# KiCad board panel_4_3.kicad_pcb (continued)
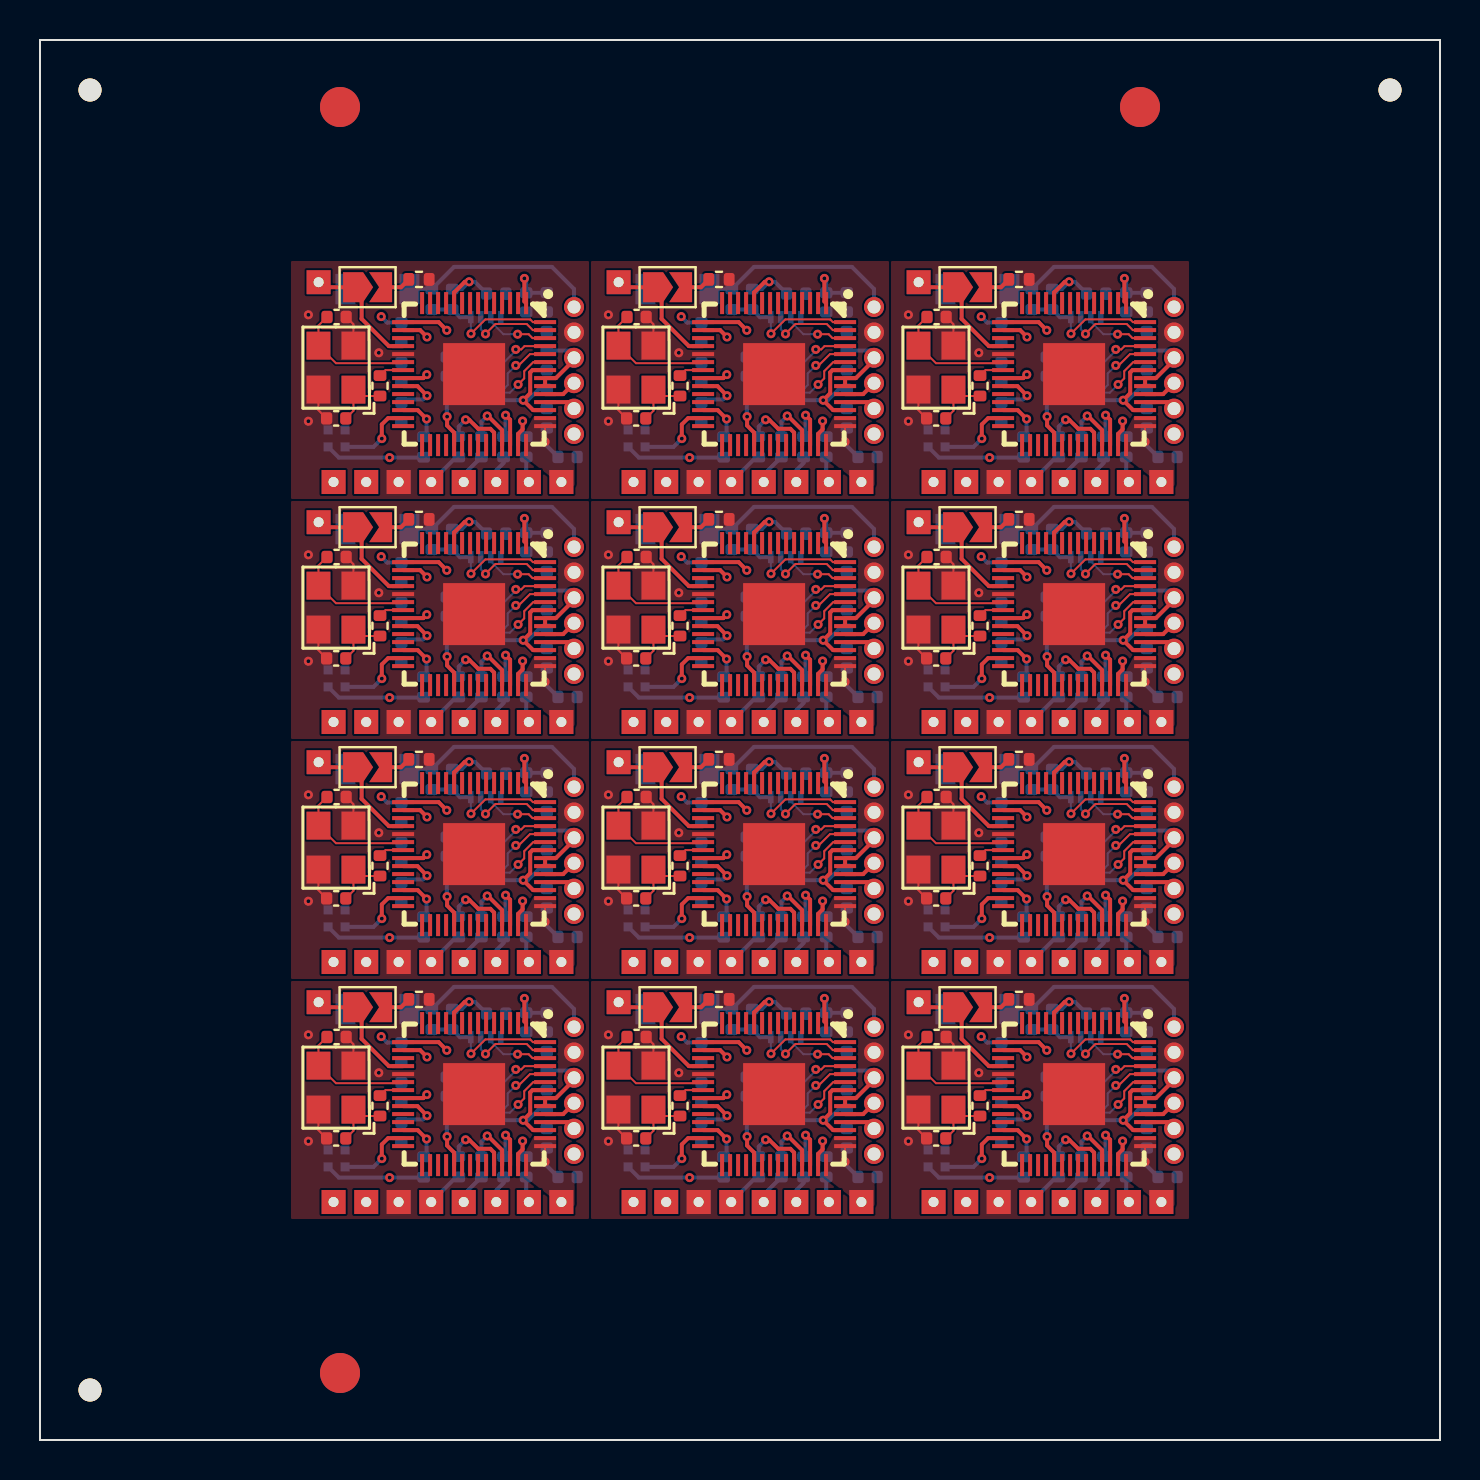
[diagram p0: board, top side]
## Nets (continued)
Board_6-DBG_DAT: U1#11.25
Board_6-GND: C1#2.1 C2#7.2 C3#11.2 C4#12.2 C5#12.2 C6#10.1 C7#11.2 C8#7.2 C9#3.2 C10#8.2 C11#5.2 C12#8.2 C13#7.2 C14.2 J8#4.5 J9#12.1 R12#9.2 SW1#4.2 U1#11.19 U1#11.57 U2#3.4 U2#3.9 U5#9.3 X1#8.2 X1#8.4
Board_6-LED_DATA: U1#11.27 U5#9.4
Board_6-Net-(JP1-B): JP1#5.2 R12#9.1
Board_6-Net-(U1-GPIO26_ADC0): R8#11.1 U1#11.38
Board_6-Net-(U1-GPIO27_ADC1): R9#12.1 U1#11.39
Board_6-Net-(U1-GPIO28_ADC2): R10#5.1 U1#11.40
Board_6-Net-(U1-GPIO29_ADC3): R11#3.1 U1#11.41
Board_6-Net-(X1-OSC1): C1#2.2 R1#9.1 X1#8.1
Board_6-NS_CLK: J3#9.1 R9#12.2
Board_6-NS_CMD: J4#10.1 R10#5.2
Board_6-NS_CPU: J1#6.1 JP1#5.1 U1#11.18
Board_6-NS_D0: J5#11.1 R11#3.2
Board_6-NS_RST: J2#11.1 R8#11.2
Board_6-NS_SCL: J7#8.1 U1#11.16
Board_6-NS_SDA: J6#8.1 U1#11.15
Board_6-QSPI_CS: R5#12.2 R6.2 U1#11.56 U2#3.1
Board_6-QSPI_SCK: U1#11.52 U2#3.6
Board_6-QSPI_SD0: U1#11.53 U2#3.5
Board_6-QSPI_SD1: U1#11.55 U2#3.2
Board_6-QSPI_SD2: U1#11.54 U2#3.3
Board_6-QSPI_SD3: U1#11.51 U2#3.7
Board_6-RST: J8#4.1 R2#9.2 U1#11.26
Board_6-unconnected-(U1-GPIO0-Pad2): U1#11.2
Board_6-unconnected-(U1-GPIO1-Pad3): U1#11.3
Board_6-unconnected-(U1-GPIO2-Pad4): U1#11.4
Board_6-unconnected-(U1-GPIO3-Pad5): U1#11.5
Board_6-unconnected-(U1-GPIO4-Pad6): U1#11.6
Board_6-unconnected-(U1-GPIO5-Pad7): U1#11.7
Board_6-unconnected-(U1-GPIO6-Pad8): U1#11.8
Board_6-unconnected-(U1-GPIO7-Pad9): U1#11.9
Board_6-unconnected-(U1-GPIO8-Pad11): U1#11.11
Board_6-unconnected-(U1-GPIO9-Pad12): U1#11.12
Board_6-unconnected-(U1-GPIO10-Pad13): U1#11.13
Board_6-unconnected-(U1-GPIO11-Pad14): U1#11.14
Board_6-unconnected-(U1-GPIO14-Pad17): U1#11.17
Board_6-unconnected-(U1-GPIO17-Pad28): U1#11.28
Board_6-unconnected-(U1-GPIO18-Pad29): U1#11.29
Board_6-unconnected-(U1-GPIO19-Pad30): U1#11.30
Board_6-unconnected-(U1-GPIO20-Pad31): U1#11.31
Board_6-unconnected-(U1-GPIO21-Pad32): U1#11.32
Board_6-unconnected-(U1-GPIO22-Pad34): U1#11.34
Board_6-unconnected-(U1-GPIO23-Pad35): U1#11.35
Board_6-unconnected-(U1-GPIO24-Pad36): U1#11.36
Board_6-unconnected-(U1-GPIO25-Pad37): U1#11.37
Board_6-unconnected-(U5-DOUT-Pad1): U5#9.1
Board_6-XIN: C3#11.1 U1#11.20 X1#8.3
Board_6-XOUT: R1#9.2 U1#11.21
Board_7-+1V1: C2.1 C4.1 C5#4.1 U1#10.23 U1#10.45 U1#10.50
Board_7-+3V3: C6#5.2 C7#9.1 C8#9.1 C9#6.1 C10.1 C11#8.1 C12#4.1 C13#9.1 C14#7.1 J8#3.4 J10#6.1 R2#12.1 R6#10.1 U1#10.1 U1#10.10 U1#10.22 U1#10.33 U1#10.42 U1#10.43 U1#10.44 U1#10.48 U1#10.49 U2#2.8 U5#12.2
Board_7-BOOT: J8#3.6 R5#8.1 SW1#11.1
Board_7-D+: J8#3.3 U1#10.47
Board_7-D-: J8#3.2 U1#10.46
Board_7-DBG_CLK: U1#10.24
Board_7-DBG_DAT: U1#10.25
Board_7-GND: C1#7.1 C2.2 C3#9.2 C4.2 C5#4.2 C6#5.1 C7#9.2 C8#9.2 C9#6.2 C10.2 C11#8.2 C12#4.2 C13#9.2 C14#7.2 J8#3.5 J9#10.1 R12#12.2 SW1#11.2 U1#10.19 U1#10.57 U2#2.4 U2#2.9 U5#12.3 X1#2.2 X1#2.4
Board_7-LED_DATA: U1#10.27 U5#12.4
Board_7-Net-(JP1-B): JP1#6.2 R12#12.1
Board_7-Net-(U1-GPIO26_ADC0): R8#12.1 U1#10.38
Board_7-Net-(U1-GPIO27_ADC1): R9#3.1 U1#10.39
Board_7-Net-(U1-GPIO28_ADC2): R10#12.1 U1#10.40
Board_7-Net-(U1-GPIO29_ADC3): R11#7.1 U1#10.41
Board_7-Net-(X1-OSC1): C1#7.2 R1#5.1 X1#2.1
Board_7-NS_CLK: J3#4.1 R9#3.2
Board_7-NS_CMD: J4#9.1 R10#12.2
Board_7-NS_CPU: J1#8.1 JP1#6.1 U1#10.18
Board_7-NS_D0: J5.1 R11#7.2
Board_7-NS_RST: J2#6.1 R8#12.2
Board_7-NS_SCL: J7.1 U1#10.16
Board_7-NS_SDA: J6#7.1 U1#10.15
Board_7-QSPI_CS: R5#8.2 R6#10.2 U1#10.56 U2#2.1
Board_7-QSPI_SCK: U1#10.52 U2#2.6
Board_7-QSPI_SD0: U1#10.53 U2#2.5
Board_7-QSPI_SD1: U1#10.55 U2#2.2
Board_7-QSPI_SD2: U1#10.54 U2#2.3
Board_7-QSPI_SD3: U1#10.51 U2#2.7
Board_7-RST: J8#3.1 R2#12.2 U1#10.26
Board_7-unconnected-(U1-GPIO0-Pad2): U1#10.2
Board_7-unconnected-(U1-GPIO1-Pad3): U1#10.3
Board_7-unconnected-(U1-GPIO2-Pad4): U1#10.4
Board_7-unconnected-(U1-GPIO3-Pad5): U1#10.5
Board_7-unconnected-(U1-GPIO4-Pad6): U1#10.6
Board_7-unconnected-(U1-GPIO5-Pad7): U1#10.7
Board_7-unconnected-(U1-GPIO6-Pad8): U1#10.8
Board_7-unconnected-(U1-GPIO7-Pad9): U1#10.9
Board_7-unconnected-(U1-GPIO8-Pad11): U1#10.11
Board_7-unconnected-(U1-GPIO9-Pad12): U1#10.12
Board_7-unconnected-(U1-GPIO10-Pad13): U1#10.13
Board_7-unconnected-(U1-GPIO11-Pad14): U1#10.14
Board_7-unconnected-(U1-GPIO14-Pad17): U1#10.17
Board_7-unconnected-(U1-GPIO17-Pad28): U1#10.28
Board_7-unconnected-(U1-GPIO18-Pad29): U1#10.29
Board_7-unconnected-(U1-GPIO19-Pad30): U1#10.30
Board_7-unconnected-(U1-GPIO20-Pad31): U1#10.31
Board_7-unconnected-(U1-GPIO21-Pad32): U1#10.32
Board_7-unconnected-(U1-GPIO22-Pad34): U1#10.34
Board_7-unconnected-(U1-GPIO23-Pad35): U1#10.35
Board_7-unconnected-(U1-GPIO24-Pad36): U1#10.36
Board_7-unconnected-(U1-GPIO25-Pad37): U1#10.37
Board_7-unconnected-(U5-DOUT-Pad1): U5#12.1
Board_7-XIN: C3#9.1 U1#10.20 X1#2.3
Board_7-XOUT: R1#5.2 U1#10.21
Board_8-+1V1: C2#4.1 C4#9.1 C5#3.1 U1.23 U1.45 U1.50
Board_8-+3V3: C6#9.2 C7.1 C8#3.1 C9#12.1 C10#6.1 C11#9.1 C12#2.1 C13#5.1 C14#10.1 J8#7.4 J10#3.1 R2#8.1 R6#5.1 U1.1 U1.10 U1.22 U1.33 U1.42 U1.43 U1.44 U1.48 U1.49 U2#9.8 U5#7.2
Board_8-BOOT: J8#7.6 R5.1 SW1#9.1
Board_8-D+: J8#7.3 U1.47
Board_8-D-: J8#7.2 U1.46
Board_8-DBG_CLK: U1.24
Board_8-DBG_DAT: U1.25
Board_8-GND: C1#3.1 C2#4.2 C3.2 C4#9.2 C5#3.2 C6#9.1 C7.2 C8#3.2 C9#12.2 C10#6.2 C11#9.2 C12#2.2 C13#5.2 C14#10.2 J8#7.5 J9#11.1 R12#4.2 SW1#9.2 U1.19 U1.57 U2#9.4 U2#9.9 U5#7.3 X1#4.2 X1#4.4
Board_8-LED_DATA: U1.27 U5#7.4
Board_8-Net-(JP1-B): JP1#4.2 R12#4.1
Board_8-Net-(U1-GPIO26_ADC0): R8.1 U1.38
Board_8-Net-(U1-GPIO27_ADC1): R9#5.1 U1.39
Board_8-Net-(U1-GPIO28_ADC2): R10#9.1 U1.40
Board_8-Net-(U1-GPIO29_ADC3): R11#12.1 U1.41
Board_8-Net-(X1-OSC1): C1#3.2 R1#7.1 X1#4.1
Board_8-NS_CLK: J3.1 R9#5.2
Board_8-NS_CMD: J4#6.1 R10#9.2
Board_8-NS_CPU: J1#4.1 JP1#4.1 U1.18
Board_8-NS_D0: J5#12.1 R11#12.2
Board_8-NS_RST: J2#8.1 R8.2
Board_8-NS_SCL: J7#7.1 U1.16
Board_8-NS_SDA: J6#2.1 U1.15
Board_8-QSPI_CS: R5.2 R6#5.2 U1.56 U2#9.1
Board_8-QSPI_SCK: U1.52 U2#9.6
Board_8-QSPI_SD0: U1.53 U2#9.5
Board_8-QSPI_SD1: U1.55 U2#9.2
Board_8-QSPI_SD2: U1.54 U2#9.3
Board_8-QSPI_SD3: U1.51 U2#9.7
Board_8-RST: J8#7.1 R2#8.2 U1.26
Board_8-unconnected-(U1-GPIO0-Pad2): U1.2
Board_8-unconnected-(U1-GPIO1-Pad3): U1.3
Board_8-unconnected-(U1-GPIO2-Pad4): U1.4
Board_8-unconnected-(U1-GPIO3-Pad5): U1.5
Board_8-unconnected-(U1-GPIO4-Pad6): U1.6
Board_8-unconnected-(U1-GPIO5-Pad7): U1.7
Board_8-unconnected-(U1-GPIO6-Pad8): U1.8
Board_8-unconnected-(U1-GPIO7-Pad9): U1.9
Board_8-unconnected-(U1-GPIO8-Pad11): U1.11
Board_8-unconnected-(U1-GPIO9-Pad12): U1.12
Board_8-unconnected-(U1-GPIO10-Pad13): U1.13
Board_8-unconnected-(U1-GPIO11-Pad14): U1.14
Board_8-unconnected-(U1-GPIO14-Pad17): U1.17
Board_8-unconnected-(U1-GPIO17-Pad28): U1.28
Board_8-unconnected-(U1-GPIO18-Pad29): U1.29
Board_8-unconnected-(U1-GPIO19-Pad30): U1.30
Board_8-unconnected-(U1-GPIO20-Pad31): U1.31
Board_8-unconnected-(U1-GPIO21-Pad32): U1.32
Board_8-unconnected-(U1-GPIO22-Pad34): U1.34
Board_8-unconnected-(U1-GPIO23-Pad35): U1.35
Board_8-unconnected-(U1-GPIO24-Pad36): U1.36
Board_8-unconnected-(U1-GPIO25-Pad37): U1.37
Board_8-unconnected-(U5-DOUT-Pad1): U5#7.1
Board_8-XIN: C3.1 U1.20 X1#4.3
Board_8-XOUT: R1#7.2 U1.21
Board_9-+1V1: C2#2.1 C4#11.1 C5#11.1 U1#7.23 U1#7.45 U1#7.50
Board_9-+3V3: C6#8.2 C7#12.1 C8#4.1 C9#2.1 C10#7.1 C11#7.1 C12#3.1 C13#11.1 C14#3.1 J8#5.4 J10#4.1 R2#11.1 R6#6.1 U1#7.1 U1#7.10 U1#7.22 U1#7.33 U1#7.42 U1#7.43 U1#7.44 U1#7.48 U1#7.49 U2#6.8 U5#4.2
Board_9-BOOT: J8#5.6 R5#3.1 SW1.1
Board_9-D+: J8#5.3 U1#7.47
Board_9-D-: J8#5.2 U1#7.46
Board_9-DBG_CLK: U1#7.24
Board_9-DBG_DAT: U1#7.25
Board_9-GND: C1#4.1 C2#2.2 C3#7.2 C4#11.2 C5#11.2 C6#8.1 C7#12.2 C8#4.2 C9#2.2 C10#7.2 C11#7.2 C12#3.2 C13#11.2 C14#3.2 J8#5.5 J9#3.1 R12#6.2 SW1.2 U1#7.19 U1#7.57 U2#6.4 U2#6.9 U5#4.3 X1#10.2 X1#10.4
Board_9-LED_DATA: U1#7.27 U5#4.4
Board_9-Net-(JP1-B): JP1#2.2 R12#6.1
Board_9-Net-(U1-GPIO26_ADC0): R8#8.1 U1#7.38
Board_9-Net-(U1-GPIO27_ADC1): R9#9.1 U1#7.39
Board_9-Net-(U1-GPIO28_ADC2): R10#10.1 U1#7.40
Board_9-Net-(U1-GPIO29_ADC3): R11#5.1 U1#7.41
Board_9-Net-(X1-OSC1): C1#4.2 R1#3.1 X1#10.1
Board_9-NS_CLK: J3#3.1 R9#9.2
Board_9-NS_CMD: J4#7.1 R10#10.2
Board_9-NS_CPU: J1#2.1 JP1#2.1 U1#7.18
Board_9-NS_D0: J5#8.1 R11#5.2
Board_9-NS_RST: J2#7.1 R8#8.2
Board_9-NS_SCL: J7#6.1 U1#7.16
Board_9-NS_SDA: J6#4.1 U1#7.15
Board_9-QSPI_CS: R5#3.2 R6#6.2 U1#7.56 U2#6.1
Board_9-QSPI_SCK: U1#7.52 U2#6.6
Board_9-QSPI_SD0: U1#7.53 U2#6.5
Board_9-QSPI_SD1: U1#7.55 U2#6.2
Board_9-QSPI_SD2: U1#7.54 U2#6.3
Board_9-QSPI_SD3: U1#7.51 U2#6.7
Board_9-RST: J8#5.1 R2#11.2 U1#7.26
Board_9-unconnected-(U1-GPIO0-Pad2): U1#7.2
Board_9-unconnected-(U1-GPIO1-Pad3): U1#7.3
Board_9-unconnected-(U1-GPIO2-Pad4): U1#7.4
Board_9-unconnected-(U1-GPIO3-Pad5): U1#7.5
Board_9-unconnected-(U1-GPIO4-Pad6): U1#7.6
Board_9-unconnected-(U1-GPIO5-Pad7): U1#7.7
Board_9-unconnected-(U1-GPIO6-Pad8): U1#7.8
Board_9-unconnected-(U1-GPIO7-Pad9): U1#7.9
Board_9-unconnected-(U1-GPIO8-Pad11): U1#7.11
Board_9-unconnected-(U1-GPIO9-Pad12): U1#7.12
Board_9-unconnected-(U1-GPIO10-Pad13): U1#7.13
Board_9-unconnected-(U1-GPIO11-Pad14): U1#7.14
Board_9-unconnected-(U1-GPIO14-Pad17): U1#7.17
Board_9-unconnected-(U1-GPIO17-Pad28): U1#7.28
Board_9-unconnected-(U1-GPIO18-Pad29): U1#7.29
Board_9-unconnected-(U1-GPIO19-Pad30): U1#7.30
Board_9-unconnected-(U1-GPIO20-Pad31): U1#7.31
Board_9-unconnected-(U1-GPIO21-Pad32): U1#7.32
Board_9-unconnected-(U1-GPIO22-Pad34): U1#7.34
Board_9-unconnected-(U1-GPIO23-Pad35): U1#7.35
Board_9-unconnected-(U1-GPIO24-Pad36): U1#7.36
Board_9-unconnected-(U1-GPIO25-Pad37): U1#7.37
Board_9-unconnected-(U5-DOUT-Pad1): U5#4.1
Board_9-XIN: C3#7.1 U1#7.20 X1#10.3
Board_9-XOUT: R1#3.2 U1#7.21
Board_10-+1V1: C2#8.1 C4#10.1 C5#8.1 U1#2.23 U1#2.45 U1#2.50
Board_10-+3V3: C6#4.2 C7#7.1 C8#8.1 C9#7.1 C10#9.1 C11#10.1 C12#10.1 C13#6.1 C14#11.1 J8.4 J10#7.1 R2#6.1 R6#7.1 U1#2.1 U1#2.10 U1#2.22 U1#2.33 U1#2.42 U1#2.43 U1#2.44 U1#2.48 U1#2.49 U2#7.8 U5.2
Board_10-BOOT: J8.6 R5#9.1 SW1#12.1
Board_10-D+: J8.3 U1#2.47
Board_10-D-: J8.2 U1#2.46
Board_10-DBG_CLK: U1#2.24
Board_10-DBG_DAT: U1#2.25
Board_10-GND: C1#5.1 C2#8.2 C3#3.2 C4#10.2 C5#8.2 C6#4.1 C7#7.2 C8#8.2 C9#7.2 C10#9.2 C11#10.2 C12#10.2 C13#6.2 C14#11.2 J8.5 J9#8.1 R12#8.2 SW1#12.2 U1#2.19 U1#2.57 U2#7.4 U2#7.9 U5.3 X1#11.2 X1#11.4
Board_10-LED_DATA: U1#2.27 U5.4
Board_10-Net-(JP1-B): JP1#11.2 R12#8.1
Board_10-Net-(U1-GPIO26_ADC0): R8#9.1 U1#2.38
Board_10-Net-(U1-GPIO27_ADC1): R9#4.1 U1#2.39
Board_10-Net-(U1-GPIO28_ADC2): R10#11.1 U1#2.40
Board_10-Net-(U1-GPIO29_ADC3): R11#2.1 U1#2.41
Board_10-Net-(X1-OSC1): C1#5.2 R1.1 X1#11.1
Board_10-NS_CLK: J3#5.1 R9#4.2
Board_10-NS_CMD: J4.1 R10#11.2
Board_10-NS_CPU: J1#11.1 JP1#11.1 U1#2.18
Board_10-NS_D0: J5#2.1 R11#2.2
Board_10-NS_RST: J2#4.1 R8#9.2
Board_10-NS_SCL: J7#10.1 U1#2.16
Board_10-NS_SDA: J6#6.1 U1#2.15
Board_10-QSPI_CS: R5#9.2 R6#7.2 U1#2.56 U2#7.1
Board_10-QSPI_SCK: U1#2.52 U2#7.6
Board_10-QSPI_SD0: U1#2.53 U2#7.5
Board_10-QSPI_SD1: U1#2.55 U2#7.2
Board_10-QSPI_SD2: U1#2.54 U2#7.3
Board_10-QSPI_SD3: U1#2.51 U2#7.7
Board_10-RST: J8.1 R2#6.2 U1#2.26
Board_10-unconnected-(U1-GPIO0-Pad2): U1#2.2
Board_10-unconnected-(U1-GPIO1-Pad3): U1#2.3
Board_10-unconnected-(U1-GPIO2-Pad4): U1#2.4
Board_10-unconnected-(U1-GPIO3-Pad5): U1#2.5
Board_10-unconnected-(U1-GPIO4-Pad6): U1#2.6
Board_10-unconnected-(U1-GPIO5-Pad7): U1#2.7
Board_10-unconnected-(U1-GPIO6-Pad8): U1#2.8
Board_10-unconnected-(U1-GPIO7-Pad9): U1#2.9
Board_10-unconnected-(U1-GPIO8-Pad11): U1#2.11
Board_10-unconnected-(U1-GPIO9-Pad12): U1#2.12
Board_10-unconnected-(U1-GPIO10-Pad13): U1#2.13
Board_10-unconnected-(U1-GPIO11-Pad14): U1#2.14
Board_10-unconnected-(U1-GPIO14-Pad17): U1#2.17
Board_10-unconnected-(U1-GPIO17-Pad28): U1#2.28
Board_10-unconnected-(U1-GPIO18-Pad29): U1#2.29
Board_10-unconnected-(U1-GPIO19-Pad30): U1#2.30
Board_10-unconnected-(U1-GPIO20-Pad31): U1#2.31
Board_10-unconnected-(U1-GPIO21-Pad32): U1#2.32
Board_10-unconnected-(U1-GPIO22-Pad34): U1#2.34
Board_10-unconnected-(U1-GPIO23-Pad35): U1#2.35
Board_10-unconnected-(U1-GPIO24-Pad36): U1#2.36
Board_10-unconnected-(U1-GPIO25-Pad37): U1#2.37
Board_10-unconnected-(U5-DOUT-Pad1): U5.1
Board_10-XIN: C3#3.1 U1#2.20 X1#11.3
Board_10-XOUT: R1.2 U1#2.21
Board_11-+1V1: C2#12.1 C4#7.1 C5#7.1 U1#4.23 U1#4.45 U1#4.50
Board_11-+3V3: C6.2 C7#6.1 C8#2.1 C9#10.1 C10#10.1 C11#2.1 C12#9.1 C13#12.1 C14#8.1 J8#11.4 J10#8.1 R2#2.1 R6#9.1 U1#4.1 U1#4.10 U1#4.22 U1#4.33 U1#4.42 U1#4.43 U1#4.44 U1#4.48 U1#4.49 U2#10.8 U5#2.2
Board_11-BOOT: J8#11.6 R5#4.1 SW1#7.1
Board_11-D+: J8#11.3 U1#4.47
Board_11-D-: J8#11.2 U1#4.46
Board_11-DBG_CLK: U1#4.24
Board_11-DBG_DAT: U1#4.25
Board_11-GND: C1#8.1 C2#12.2 C3#4.2 C4#7.2 C5#7.2 C6.1 C7#6.2 C8#2.2 C9#10.2 C10#10.2 C11#2.2 C12#9.2 C13#12.2 C14#8.2 J8#11.5 J9#7.1 R12#11.2 SW1#7.2 U1#4.19 U1#4.57 U2#10.4 U2#10.9 U5#2.3 X1#9.2 X1#9.4
Board_11-LED_DATA: U1#4.27 U5#2.4
Board_11-Net-(JP1-B): JP1#3.2 R12#11.1
Board_11-Net-(U1-GPIO26_ADC0): R8#5.1 U1#4.38
Board_11-Net-(U1-GPIO27_ADC1): R9.1 U1#4.39
Board_11-Net-(U1-GPIO28_ADC2): R10.1 U1#4.40
Board_11-Net-(U1-GPIO29_ADC3): R11#9.1 U1#4.41
Board_11-Net-(X1-OSC1): C1#8.2 R1#6.1 X1#9.1
Board_11-NS_CLK: J3#7.1 R9.2
Board_11-NS_CMD: J4#11.1 R10.2
Board_11-NS_CPU: J1#10.1 JP1#3.1 U1#4.18
Board_11-NS_D0: J5#7.1 R11#9.2
Board_11-NS_RST: J2#12.1 R8#5.2
Board_11-NS_SCL: J7#4.1 U1#4.16
Board_11-NS_SDA: J6#10.1 U1#4.15
Board_11-QSPI_CS: R5#4.2 R6#9.2 U1#4.56 U2#10.1
Board_11-QSPI_SCK: U1#4.52 U2#10.6
Board_11-QSPI_SD0: U1#4.53 U2#10.5
Board_11-QSPI_SD1: U1#4.55 U2#10.2
Board_11-QSPI_SD2: U1#4.54 U2#10.3
Board_11-QSPI_SD3: U1#4.51 U2#10.7
Board_11-RST: J8#11.1 R2#2.2 U1#4.26
Board_11-unconnected-(U1-GPIO0-Pad2): U1#4.2
Board_11-unconnected-(U1-GPIO1-Pad3): U1#4.3
Board_11-unconnected-(U1-GPIO2-Pad4): U1#4.4
Board_11-unconnected-(U1-GPIO3-Pad5): U1#4.5
Board_11-unconnected-(U1-GPIO4-Pad6): U1#4.6
Board_11-unconnected-(U1-GPIO5-Pad7): U1#4.7
Board_11-unconnected-(U1-GPIO6-Pad8): U1#4.8
Board_11-unconnected-(U1-GPIO7-Pad9): U1#4.9
Board_11-unconnected-(U1-GPIO8-Pad11): U1#4.11
Board_11-unconnected-(U1-GPIO9-Pad12): U1#4.12
Board_11-unconnected-(U1-GPIO10-Pad13): U1#4.13
Board_11-unconnected-(U1-GPIO11-Pad14): U1#4.14
Board_11-unconnected-(U1-GPIO14-Pad17): U1#4.17
Board_11-unconnected-(U1-GPIO17-Pad28): U1#4.28
Board_11-unconnected-(U1-GPIO18-Pad29): U1#4.29
Board_11-unconnected-(U1-GPIO19-Pad30): U1#4.30
Board_11-unconnected-(U1-GPIO20-Pad31): U1#4.31
Board_11-unconnected-(U1-GPIO21-Pad32): U1#4.32
Board_11-unconnected-(U1-GPIO22-Pad34): U1#4.34
Board_11-unconnected-(U1-GPIO23-Pad35): U1#4.35
Board_11-unconnected-(U1-GPIO24-Pad36): U1#4.36
Board_11-unconnected-(U1-GPIO25-Pad37): U1#4.37
Board_11-unconnected-(U5-DOUT-Pad1): U5#2.1
Board_11-XIN: C3#4.1 U1#4.20 X1#9.3
Board_11-XOUT: R1#6.2 U1#4.21

## Via types
v1: diameter 0.45, hole 0.2, Top to Bottom, 312 vias

## Routing (per net, layer and track width the routed paths; a pad name or vN(x,y) marks a point on that pad's centre or on a via; arc(x,y) is an arc through that point)
Board_0-+1V1: length 15.1
  Top w0.2: U1#9.45 24.66,51.49 v1(24.16,51.99) 24.51,52.34 24.51,53.38 24.63,53.49 U1#9.50 ; v1(19.35,52.22) 18.87,52.7 U1#9.23
  In1.Cu w0.358: v1(19.35,52.22) 19.62,51.95 24.12,51.95 v1(24.16,51.99)
  Bottom w0.2: C2#9.1 22.01,51.99 v1(24.16,51.99) 24.39,51.99 24.94,52.54 C5#5.1 ; C4#4.1 18.22,52.03 19.16,52.03 v1(19.35,52.22)
Board_0-+3V3: length 26.7
  Top w0.1: v1(25.25,49.91) U1#9.43
  Top w0.2: v1(21.46,57.91) 21.24,57.91 20.71,57.38 U1#9.10 ; v1(20.35,51.17) 20.35,50.72 20.71,50.37 20.71,49.74 ; v1(24.22,58.08) 24.22,56.93 U1#9.1 ; J8#10.4 26.7,54 25.79,53.09 U1#9.49 U1#9.48 ; U1#9.22 19.16,53.09 v1(19.34,53.27)
  Bottom w0.2: v1(20.35,51.17) 20.34,51.19 C14#6.1 21.47,53.19 U2#11.8 ; 14.41,49.66 14.94,49.12 v1(17.48,49.12) 19.16,49.12 R2#3.1 ; C12#12.1 21.74,57.91 v1(21.46,57.91) 21.09,57.55 20.62,57.55 R6#2.1 ; 26.76,54.21 26.49,54.48 C10#12.1 ; C6#3.2 25.25,49.8 v1(25.25,49.91) 25.25,50.52 25.34,50.6 ; v1(19.34,53.27) 19.17,53.1 18.25,53.1 C7#4.1 ; C11#3.1 25.33,57.36 C9#9.1 24.31,57.99 v1(24.22,58.08) ; C13#2.1 17.36,55.87 v1(17.06,56.17)
Board_0-BOOT: length 10
  Bottom w0.2: SW1#10.1 R5#10.1 20.7,58.66 25.59,58.66 26.7,57.55 J8#10.6
Board_0-D+: length 1.7
  Top w0.2: U1#9.47 26.16,52.3 J8#10.3
Board_0-D-: length 1.6
  Top w0.2: U1#9.46 26.38,51.9 J8#10.2
Board_0-GND: length 3.2
  Top w0.1: C3#12.2 15.67,55.79 X1#3.2 ; C1#9.1 13.92,51.49 X1#3.4
  vias: v1(13.42,56.26) v1(13.42,50.94) v1(16.94,54.36)
Board_0-LED_DATA: length 3.9
  Top w0.2: v1(17.09,50.07) 17.09,50.78 17.41,51.09 U1#9.27
  Bottom w0.2: v1(17.09,50.07) 16.68,49.66 U5#10.4
Board_0-Net-(JP1-B): length 1.5
  Top w0.2: JP1#10.2 18.05,57.64 R12#10.1
Board_0-Net-(U1-GPIO26_ADC0): length 3.3
  Top w0.2: 22.71,49.74 22.71,50.37 22.52,50.56 21.91,50.56 21.46,51.01 v1(21.28,51.01)
  Bottom w0.2: R8#3.1 20.94,50.67 v1(21.28,51.01)
Board_0-Net-(U1-GPIO27_ADC1): length 2.9
  Top w0.2: 23.1,49.74 23.1,50.49 22.4,51.2 v1(22.36,51.2)
  Bottom w0.2: R9#11.1 22.07,50.91 v1(22.36,51.2)
Board_0-Net-(U1-GPIO28_ADC2): length 2.7
  Top w0.2: 23.5,49.74 23.5,51.02 v1(23.28,51.24)
  Bottom w0.2: R10#6.1 23.28,50.27 v1(23.28,51.24)
Board_0-Net-(U1-GPIO29_ADC3): length 2.2
  Top w0.2: v1(24.13,50.95) 24.13,50.53 23.91,50.3 23.91,49.74
  Bottom w0.2: R11#6.1 24.13,50.35 v1(24.13,50.95)
Board_0-Net-(X1-OSC1): length 3.1
  Top w0.1: C1#9.2 15.67,51.46 X1#3.1 15.99,52.2 R1#10.1
Board_0-NS_CLK: length 1.6
  Bottom w0.2: R9#11.2 21.19,48.27 J3#8.1
Board_0-NS_CMD: length 1.5
  Bottom w0.2: 22.81,47.78 22.81,48.48 23.18,48.85 R10#6.2
Board_0-NS_CPU: length 6.2
  Top w0.2: U1#9.18 17.44,54.7 16.08,56.06 16.08,57.22 JP1#10.1 14.18,57.64 J1.1
Board_0-NS_D0: length 1.3
  Bottom w0.2: J5#5.1 24.31,48.03 R11#6.2
Board_0-NS_RST: length 1.9
  Bottom w0.2: J2#9.1 20.81,49.15 R8#3.2
Board_0-NS_SCL: length 10.6
  Top w0.2: U1#9.16 19,55.49 v1(19.35,55.15)
  In2.Cu w0.2: 14.68,47.78 14.68,50.47 19.35,55.14 v1(19.35,55.15)
Board_0-NS_SDA: length 11.6
  Top w0.2: U1#9.15 19.93,55.9 v1(20.34,55.48)
  In2.Cu w0.2: v1(20.34,55.48) 20.34,55.11 16.31,51.08 J6#11.1
Board_0-QSPI_CS: length 7
  Top w0.1: v1(21.55,55.31) 22.26,56.03 24.51,56.03 24.65,55.9 U1#9.56
  Bottom w0.1: v1(21.55,55.31) 21.54,55.33 21.54,56.14
  Bottom w0.2: R5#10.2 R6#2.2 21,56.14 21.54,56.14
Board_0-QSPI_SCK: length 4.1
  Top w0.1: U1#9.52 24.5,54.3 23.93,53.73 v1(23.79,53.73)
  Bottom w0.1: U2#11.6 22.54,52.92 22.86,52.6 23.24,52.6 23.38,52.75 23.38,53.33 v1(23.79,53.73)
Board_0-QSPI_SD0: length 3.2
  Top w0.1: v1(23.79,54.53) 24.06,54.53 24.23,54.7 U1#9.53
  Bottom w0.1: v1(23.79,54.53) 23.79,54.48 23.04,53.73 U2#11.5
Board_0-QSPI_SD1: length 4.2
  Top w0.1: U1#9.55 24.64,55.49 24.34,55.8 22.77,55.8 v1(22.28,55.3)
  Bottom w0.1: v1(22.28,55.3) 22.04,55.54 22.04,56.14
Board_0-QSPI_SD2: length 3.3
  Top w0.1: U1#9.54 24.62,55.09 24.43,55.29 v1(23.88,55.29)
  Bottom w0.1: 22.54,56.14 22.54,55.92 23.17,55.29 v1(23.88,55.29)
Board_0-QSPI_SD3: length 4.6
  Top w0.1: v1(23.91,52.77) 24.21,53.08 24.21,53.44 24.66,53.9 U1#9.51
  Bottom w0.1: v1(23.91,52.77) 23.5,52.37 22.44,52.37 22.04,52.77 U2#11.7
Board_0-RST: length 10.8
  Top w0.2: U1#9.26 18.88,51.49 v1(19.33,51.05)
  In1.Cu w0.2: J8#10.1 25.69,49.29 25.03,49.29 24.35,49.97 20.41,49.97 v1(19.33,51.05)
  Bottom w0.2: R2#3.2 19.33,50.31 v1(19.33,51.05)
Board_0-XIN: length 6.2
  Top w0.1: U1#9.20 18.1,53.84 14.8,53.84 X1#3.3 13.92,55.72 C3#12.1
Board_0-XOUT: length 1.3
  Top w0.1: R1#10.2 17.28,53.49 U1#9.21
Board_1-+1V1: length 15.1
  Top w0.2: U1#3.50 39.63,53.49 39.51,53.38 39.51,52.34 v1(39.16,51.99) 39.66,51.49 U1#3.45 ; U1#3.23 33.87,52.7 v1(34.35,52.22)
  In1.Cu w0.358: v1(34.35,52.22) 34.62,51.95 39.12,51.95 v1(39.16,51.99)
  Bottom w0.2: v1(34.35,52.22) 34.16,52.03 33.22,52.03 C4#5.1 ; C5#2.1 39.94,52.54 39.39,51.99 v1(39.16,51.99) 37.01,51.99 C2#10.1
Board_1-+3V3: length 26.7
  Top w0.1: v1(40.25,49.91) U1#3.43
  Top w0.2: U1#3.10 35.71,57.38 36.24,57.91 v1(36.46,57.91) ; U1#3.1 39.22,56.93 v1(39.22,58.08) ; J8#6.4 41.7,54 40.79,53.09 U1#3.49 U1#3.48 ; U1#3.22 34.16,53.09 v1(34.34,53.27) ; v1(35.35,51.17) 35.35,50.72 35.71,50.37 35.71,49.74
  Bottom w0.2: U2#8.8 36.47,53.19 C14#12.1 35.34,51.19 v1(35.35,51.17) ; 40.34,50.6 40.25,50.52 v1(40.25,49.91) 40.25,49.8 C6#12.2 ; U5#11.2 29.94,49.12 v1(32.48,49.12) 34.16,49.12 R2#5.1 ; C10#3.1 41.49,54.48 41.76,54.21 ; C12#6.1 36.74,57.91 v1(36.46,57.91) 36.09,57.55 35.62,57.55 R6#3.1 ; C13#10.1 32.36,55.87 v1(32.06,56.17) ; v1(39.22,58.08) 39.31,57.99 C9#4.1 40.33,57.36 C11#6.1 ; v1(34.34,53.27) 34.17,53.1 33.25,53.1 C7#2.1
Board_1-BOOT: length 10
  Bottom w0.2: SW1#5.1 R5#6.1 35.7,58.66 40.59,58.66 41.7,57.55 J8#6.6
Board_1-D+: length 1.7
  Top w0.2: J8#6.3 41.16,52.3 U1#3.47
Board_1-D-: length 1.6
  Top w0.2: J8#6.2 41.38,51.9 U1#3.46
Board_1-GND: length 3.2
  Top w0.1: C1#6.1 28.92,51.49 X1#12.4 ; C3#8.2 30.67,55.79 X1#12.2
  vias: v1(28.42,56.26) v1(28.42,50.94) v1(31.94,54.36)
Board_1-LED_DATA: length 3.9
  Top w0.2: U1#3.27 32.41,51.09 32.09,50.78 v1(32.09,50.07)
  Bottom w0.2: U5#11.4 31.68,49.66 v1(32.09,50.07)
Board_1-Net-(JP1-B): length 1.5
  Top w0.2: JP1#12.2 33.05,57.64 R12#7.1
Board_1-Net-(U1-GPIO26_ADC0): length 3.3
  Top w0.2: 37.71,49.74 37.71,50.37 37.52,50.56 36.91,50.56 36.46,51.01 v1(36.28,51.01)
  Bottom w0.2: R8#6.1 35.94,50.67 v1(36.28,51.01)
Board_1-Net-(U1-GPIO27_ADC1): length 2.9
  Top w0.2: v1(37.36,51.2) 37.4,51.2 38.1,50.49 38.1,49.74
  Bottom w0.2: v1(37.36,51.2) 37.07,50.91 R9#8.1
Board_1-Net-(U1-GPIO28_ADC2): length 2.7
  Top w0.2: 38.5,49.74 38.5,51.02 v1(38.28,51.24)
  Bottom w0.2: v1(38.28,51.24) 38.28,50.27 R10#4.1
Board_1-Net-(U1-GPIO29_ADC3): length 2.2
  Top w0.2: 38.91,49.74 38.91,50.3 39.13,50.53 v1(39.13,50.95)
  Bottom w0.2: R11#10.1 39.13,50.35 v1(39.13,50.95)
Board_1-Net-(X1-OSC1): length 3.1
  Top w0.1: C1#6.2 30.67,51.46 X1#12.1 30.99,52.2 R1#2.1
Board_1-NS_CLK: length 1.6
  Bottom w0.2: R9#8.2 36.19,48.27 J3#6.1
Board_1-NS_CMD: length 1.5
  Bottom w0.2: 37.81,47.78 37.81,48.48 38.18,48.85 R10#4.2
Board_1-NS_CPU: length 6.2
  Top w0.2: U1#3.18 32.44,54.7 31.08,56.06 31.08,57.22 JP1#12.1 29.18,57.64 J1#9.1
Board_1-NS_D0: length 1.3
  Bottom w0.2: J5#10.1 39.31,48.03 R11#10.2
Board_1-NS_RST: length 1.9
  Bottom w0.2: J2#3.1 35.81,49.15 R8#6.2
Board_1-NS_SCL: length 10.6
  Top w0.2: v1(34.35,55.15) 34,55.49 U1#3.16
  In2.Cu w0.2: v1(34.35,55.15) 34.35,55.14 29.68,50.47 29.68,47.78
Board_1-NS_SDA: length 11.6
  Top w0.2: U1#3.15 34.93,55.9 v1(35.34,55.48)
  In2.Cu w0.2: v1(35.34,55.48) 35.34,55.11 31.31,51.08 J6.1
Board_1-QSPI_CS: length 7
  Top w0.1: v1(36.55,55.31) 37.26,56.03 39.51,56.03 39.65,55.9 U1#3.56
  Bottom w0.1: 36.54,56.14 36.54,55.33 v1(36.55,55.31)
  Bottom w0.2: 36.54,56.14 36,56.14 R6#3.2 R5#6.2
Board_1-QSPI_SCK: length 4.1
  Top w0.1: U1#3.52 39.5,54.3 38.93,53.73 v1(38.79,53.73)
  Bottom w0.1: U2#8.6 37.54,52.92 37.86,52.6 38.24,52.6 38.38,52.75 38.38,53.33 v1(38.79,53.73)
Board_1-QSPI_SD0: length 3.2
  Top w0.1: v1(38.79,54.53) 39.06,54.53 39.23,54.7 U1#3.53
  Bottom w0.1: U2#8.5 38.04,53.73 38.79,54.48 v1(38.79,54.53)
Board_1-QSPI_SD1: length 4.2
  Top w0.1: U1#3.55 39.64,55.49 39.34,55.8 37.77,55.8 v1(37.28,55.3)
  Bottom w0.1: 37.04,56.14 37.04,55.54 v1(37.28,55.3)
Board_1-QSPI_SD2: length 3.3